# KiCad board pq-register.kicad_pcb (continued)
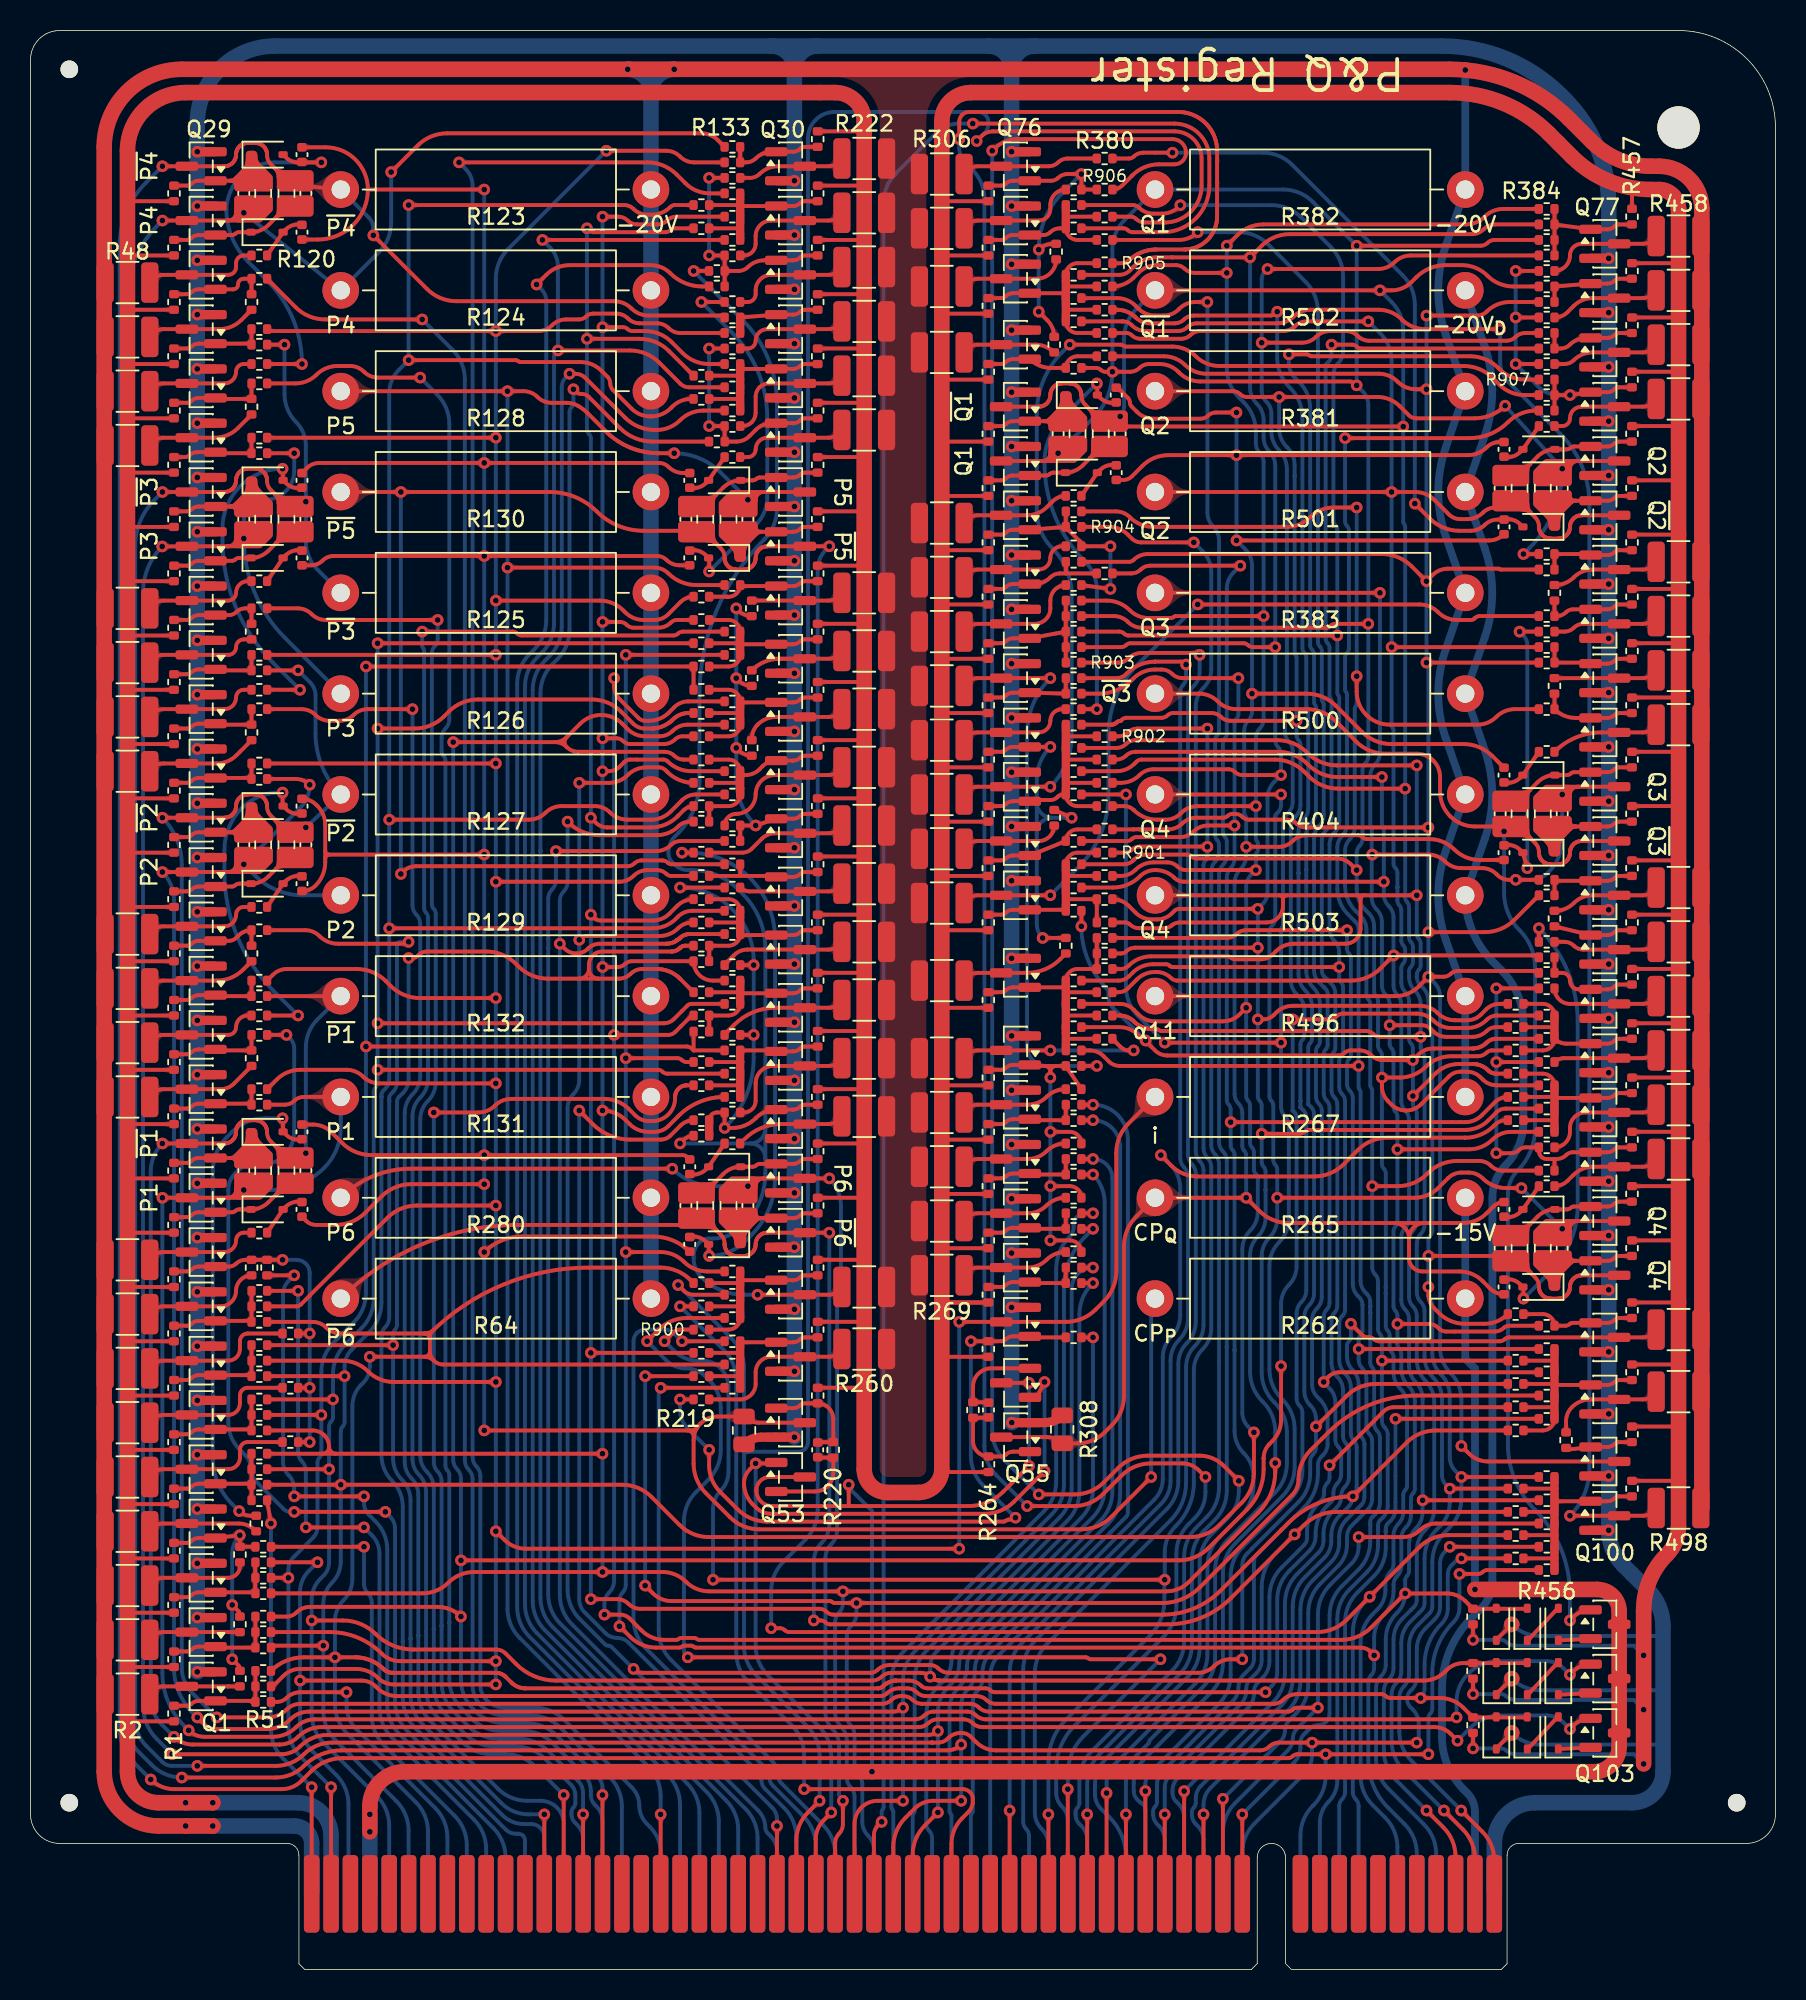
[diagram p0: board, top side]
## Routing (per net, layer and track width the routed paths; a pad name or vN(x,y) marks a point on that pad's centre or on a via; arc(x,y) is an arc through that point) (continued)
  Bottom w0.254: v1(73.04,60.85) 70.91,62.98 arc(70.69,63.31) 70.61,63.71 70.61,64.08 arc(70.6,64.13) 70.58,64.17 70.54,64.21 arc(69.28,66.1) v1(68.83,68.33) ; v1(91.44,10.41) 89.44,12.41 arc(88.85,13.29) 88.65,14.33 88.65,18.22 arc(88.73,18.63) 88.96,18.98 arc(89.2,19.33) 89.28,19.75 89.28,21.59 arc(89.43,22.34) 89.85,22.97 90.42,23.54 arc(90.42,23.55) 90.42,23.55 arc(90.42,23.55) 90.43,23.55 90.61,23.74 arc(90.76,23.95) 90.8,24.2 90.81,27.43 arc(90.95,28.17) 91.38,28.81 arc(91.8,29.44) 91.95,30.19 91.95,37.17 arc(91.8,37.92) 91.38,38.55 arc(90.95,39.18) 90.81,39.93 90.8,42.82 arc(90.74,43.15) 90.55,43.43 arc(90.36,43.72) 90.3,44.05 90.3,47.76 arc(90.36,48.09) 90.55,48.38 arc(90.74,48.66) 90.8,48.99 90.8,56.08 arc(90.77,56.25) 90.68,56.39 arc(90.58,56.53) 90.55,56.69 v1(90.55,59.56) 90.55,60.34 arc(90.52,60.5) 90.42,60.64 arc(90.33,60.79) 90.3,60.95 90.3,63.42 arc(90.23,63.75) 90.04,64.03 arc(89.86,64.31) 89.79,64.65 89.79,65.58 arc(89.82,65.75) 89.92,65.89 arc(90.01,66.03) 90.04,66.19 90.04,66.77 arc(90.01,66.94) 89.92,67.08 arc(89.82,67.22) 89.79,67.39 89.79,69.4 arc(89.76,69.56) 89.66,69.7 arc(89.57,69.85) 89.54,70.01 89.54,71.83 arc(89.5,72) 89.41,72.14 arc(89.31,72.28) 89.28,72.44 89.28,81.19 arc(89.26,81.27) 89.22,81.34 arc(89.17,81.41) 89.15,81.5 v1(89.15,86.61) 89.15,105.35 arc(88.96,106.34) 88.39,107.19 v1(87.63,107.95)
~{Q3}: length 290.6
  Top w0.254: v1(88.65,71.25) 75.54,71.25 arc(75.21,71.31) 74.93,71.5 arc(74.37,71.88) 73.7,72.01 73.66,72.01 arc(73.12,71.9) 72.67,71.6 arc(71.86,71.06) 70.9,70.87 R337.1 ; R168.1 43.08,83.06 arc(42.59,82.96) 42.16,82.68 41.81,82.33 arc(41.22,81.93) 40.51,81.79 40.26,81.79 arc(40.02,81.83) 39.83,81.97 38.59,83.21 arc(38.32,83.6) 38.23,84.07 v1(38.23,84.58) ; R347.1 71.14,79.25 arc(71.47,79.31) 71.76,79.5 arc(72.04,79.69) 72.37,79.76 72.37,79.76 arc(72.37,79.76) 72.37,79.76 81.72,79.76 arc(82.76,79.55) 83.64,78.96 83.7,78.9 arc(84.58,78.31) 85.63,78.1 v1(88.52,78.1) ; v1(91.19,30.73) R450.1 ; v1(37.59,23.24) 38.63,23.24 arc(38.96,23.17) 39.24,22.99 40.02,22.21 arc(40.71,21.75) 41.52,21.59 42.31,21.59 arc(42.39,21.61) 42.46,21.65 arc(42.53,21.7) 42.62,21.72 43.49,21.72 arc(43.57,21.7) 43.64,21.65 arc(43.71,21.61) 43.8,21.59 85.88,21.59 arc(86.92,21.8) 87.8,22.39 v1(90.04,24.63) 92.77,24.63 arc(93.43,24.5) 93.99,24.13 R499.1 97.97,23.62 ; R328.1 71.27,64.01 arc(71.6,64.07) 71.88,64.26 72.46,64.84 arc(73.01,65.21) 73.66,65.33 73.75,65.33 arc(74.27,65.23) 74.71,64.94 arc(74.9,64.81) 75.11,64.77 86.5,64.77 arc(87.54,64.98) 88.43,65.57 v1(89.28,66.42) 98.59,66.42 arc(98.67,66.4) 98.74,66.36 R417.1 ; v1(38.23,61.21) 41.77,61.21 arc(42.02,61.26) 42.23,61.4 43.22,62.4 arc(43.32,62.46) R195.1
  Bottom w0.254: v1(37.59,23.24) 37.59,23.93 arc(37.67,24.35) 37.91,24.7 arc(38.14,25.05) 38.23,25.47 v1(38.23,61.21) v1(38.23,84.58) ; 92.08,4.95 92.08,7.57 arc(91.87,8.62) 91.28,9.5 88.93,11.84 arc(88.35,12.72) 88.14,13.77 88.14,18.43 arc(88.22,18.84) 88.46,19.19 arc(88.69,19.54) 88.77,19.96 88.77,21.61 arc(88.96,22.54) 89.49,23.34 89.52,23.37 arc(89.91,23.95) v1(90.04,24.63) 90.04,25.47 arc(90.08,25.64) 90.17,25.78 arc(90.26,25.92) 90.3,26.09 90.3,27.82 arc(90.41,28.4) 90.74,28.89 arc(91.07,29.38) 91.19,29.96 91.19,37.39 arc(91.07,37.97) 90.74,38.46 arc(90.41,38.96) 90.3,39.54 90.3,42.61 arc(90.23,42.94) 90.04,43.22 arc(89.86,43.5) 89.79,43.84 89.79,47.97 arc(89.86,48.31) 90.04,48.59 arc(90.23,48.87) 90.3,49.2 90.3,55.65 arc(90.23,55.98) 90.04,56.26 arc(89.86,56.54) 89.79,56.87 89.79,63.21 arc(89.72,63.54) 89.54,63.82 arc(89.35,64.1) 89.28,64.44 v1(89.28,66.42) 89.28,68.89 arc(89.2,69.31) 88.96,69.66 arc(88.73,70.01) 88.65,70.43 v1(88.65,71.25) 88.65,74.71 arc(88.63,74.8) 88.58,74.87 arc(88.54,74.94) 88.52,75.02 v1(88.52,78.1)
~{Q4}: length 179
  Top w0.254: C39.2 96.27,46.1 ; R503.2 81.79,70.36 ; 81.79,70.36 82.3,70.36 ; 81.79,70.36 arc(81.97,70.28) 82.04,70.1 ; 82.3,70.36 86.92,70.36 ; 82.3,70.36 arc(82.12,70.28) 82.04,70.1 ; 86.92,70.36 87.33,70.36 ; 86.92,70.36 arc(87.06,70.3) 87.12,70.15 ; 87.33,70.36 v1(90.8,70.36) ; 87.33,70.36 arc(87.18,70.3) 87.12,70.15 ; 98.3,45.59 98.57,45.32 arc(98.74,45.06) 98.81,44.75 98.81,44.72 arc(98.81,44.7) 98.81,44.69 arc(98.81,44.67) 98.81,44.65 98.81,44.63 arc(98.81,44.6) 98.82,44.56 arc(98.83,44.53) 98.84,44.5 arc(98.85,44.46) 98.86,44.43 arc(98.87,44.4) 98.89,44.36 arc(98.9,44.33) 98.92,44.3 arc(98.94,44.27) 98.96,44.24 arc(98.98,44.22) 99.01,44.19 arc(99.03,44.17) 99.05,44.14 arc(99.08,44.12) 99.11,44.1 arc(99.14,44.08) 99.17,44.06 arc(99.2,44.04) 99.23,44.02 arc(99.26,44.01) 99.29,43.99 arc(99.33,43.98) 99.36,43.97 arc(99.39,43.96) 99.43,43.96 arc(99.46,43.95) 99.5,43.95 99.52,43.94 arc(99.53,43.94) 99.55,43.94 arc(99.57,43.94) 99.59,43.94 100.06,43.94 arc(100.08,43.94) 100.09,43.94 arc(100.11,43.94) 100.13,43.94 100.15,43.95 arc(100.18,43.95) 100.22,43.96 arc(100.25,43.96) 100.28,43.97 arc(100.32,43.98) 100.35,43.99 arc(100.38,44.01) 100.42,44.02 arc(100.45,44.04) 100.48,44.06 arc(100.51,44.08) 100.54,44.1 arc(100.56,44.12) 100.59,44.14 arc(100.61,44.17) 100.64,44.19 arc(100.66,44.22) 100.68,44.24 arc(100.7,44.27) 100.72,44.3 arc(100.74,44.33) 100.76,44.36 arc(100.77,44.4) 100.79,44.43 arc(100.8,44.46) 100.81,44.5 arc(100.82,44.53) 100.82,44.56 arc(100.83,44.6) 100.83,44.63 arc(100.84,44.67) 100.84,44.7 arc(100.84,44.74) 100.84,44.77 arc(100.85,44.81) 100.85,44.84 arc(100.86,44.88) 100.87,44.91 arc(100.88,44.95) 100.89,44.98 arc(100.9,45.01) 100.92,45.04 arc(100.93,45.07) 100.95,45.1 arc(100.97,45.13) 100.99,45.16 arc(101.01,45.19) 101.04,45.22 arc(101.06,45.24) 101.09,45.27 arc(101.11,45.29) 101.14,45.31 arc(101.17,45.33) 101.2,45.35 arc(101.23,45.37) 101.26,45.39 arc(101.29,45.4) 101.32,45.41 arc(101.36,45.43) 101.39,45.44 arc(101.43,45.45) 101.46,45.45 arc(101.49,45.46) 101.53,45.46 101.55,45.46 arc(101.56,45.47) 101.58,45.47 arc(101.6,45.47) 101.62,45.47 Q96.3 ; 98.3,45.59 97.66,46.23 ; 98.3,45.59 98.22,45.67 ; 98.3,45.59 arc(98.11,45.87) 98.04,46.21 98.04,46.23 ; 98.3,45.59 arc(98.02,45.78) 97.68,45.85 97.66,45.85 ; 95.89,4.95 95.89,7.11 arc(95.68,8.15) 95.09,9.04 93.71,10.41 arc(93.71,10.41) 93.71,10.41 93.71,10.41 ; v1(91.57,44.7) 91.57,44.2 arc(91.66,43.73) 91.93,43.33 92.27,42.99 arc(93.04,42.47) 93.95,42.29 95.24,42.29 arc(96.07,42.46) R437.1 ; R334.1 71.7,68.58 arc(71.87,68.55) 72.01,68.45 arc(72.29,68.27) 72.62,68.2 74.24,68.2 arc(74.55,68.26) 74.82,68.44 ; 87.12,70.15 87.12,68.18 arc(86.83,67.48) 86.12,67.18 82.76,67.18 arc(82.12,67.06) 81.58,66.69 81.38,66.5 arc(81.02,66.25) 80.58,66.17 78.88,66.17 arc(78.75,66.19) 78.64,66.26 arc(78.54,66.33) 78.41,66.36 73.41,66.36 arc(72.61,66.2) 71.93,65.75 arc(71.69,65.59) 71.41,65.53 R330.1 ; v1(90.8,78.87) 85.58,78.87 arc(84.54,79.07) 83.66,79.66 83.6,79.72 arc(82.72,80.31) 81.68,80.52 72.37,80.52 arc(72.04,80.45) 71.76,80.26 arc(71.47,80.08) 71.14,80.01 R348.1 ; v1(91.57,46.74) 96.24,46.74 ; 82.04,70.1 82.04,69.66 arc(81.72,68.9) 80.96,68.58 75.29,68.58 arc(74.96,68.51) 74.68,68.33 ; v1(93.73,32.26) R448.1
  Bottom w0.254: v1(90.8,78.87) v1(90.8,70.36) 90.8,67.81 arc(90.84,67.64) 90.93,67.5 arc(91.03,67.36) 91.06,67.2 91.06,65.77 arc(91.03,65.61) 90.93,65.47 arc(90.84,65.33) 90.8,65.16 90.8,65.02 arc(90.86,64.73) 91.03,64.49 91.19,64.33 arc(91.47,63.91) 91.57,63.41 91.57,61.84 arc(91.6,61.67) 91.69,61.53 arc(91.79,61.39) 91.82,61.22 91.82,60.15 91.82,48.39 arc(91.79,48.22) 91.69,48.08 arc(91.6,47.94) 91.57,47.78 v1(91.57,46.74) v1(91.57,44.7) 91.57,44.12 arc(91.6,43.96) 91.69,43.81 arc(91.79,43.67) 91.82,43.51 91.82,40.35 arc(91.97,39.6) 92.39,38.97 arc(92.82,38.34) 92.96,37.59 92.96,33.56 arc(93.06,33.06) 93.34,32.64 v1(93.73,32.26) 93.73,30.84 arc(93.52,29.8) 92.93,28.92 92.62,28.61 arc(92.03,27.73) 91.82,26.69 91.82,23.78 arc(91.77,23.53) 91.63,23.32 91.44,23.13 arc(91.44,23.13) 91.44,23.13 arc(91.44,23.12) 91.44,23.12 90.87,22.55 arc(90.45,21.92) 90.3,21.17 90.3,19.33 arc(90.21,18.91) 89.98,18.56 arc(89.74,18.21) 89.66,17.8 89.66,15.59 arc(89.87,14.55) 90.46,13.67 v1(93.71,10.41)
~{rl}: length 48.5
  Top w0.254: v1(17.53,44.45) R81.1 ; v1(18.03,28.96) v1(21.84,28.96)
  Bottom w0.254: v1(18.03,28.96) 18.03,32.66 arc(17.97,32.99) 17.78,33.27 arc(17.59,33.56) 17.53,33.89 v1(17.53,44.45) ; v1(21.84,28.96) 22.35,28.45 arc(22.73,27.89) 22.86,27.22 22.86,17.13 arc(23.07,16.09) 23.66,15.21 29.05,9.81 arc(29.64,8.93) 29.84,7.89 29.84,4.95
~{R}: length 99.5
  Top w0.254: v1(69.21,10.16) 69.21,4.95 ; v1(79.25,91.95) 73.33,91.95 arc(73,91.88) 72.72,91.69 arc(72.44,91.51) 72.11,91.44 R358.1
  Bottom w0.254: v1(79.25,91.95) 78.8,91.5 arc(78.47,91.01) 78.36,90.43 78.36,80.93 arc(78.33,80.77) 78.23,80.63 arc(78.14,80.49) 78.11,80.32 78.11,74.49 arc(78.14,74.33) 78.23,74.19 arc(78.33,74.05) 78.36,73.88 78.36,72.96 arc(78.29,72.63) 78.11,72.35 arc(77.92,72.07) 77.85,71.74 77.85,54.2 arc(77.92,53.87) 78.1,53.59 arc(78.29,53.31) 78.36,52.97 78.36,31.36 arc(78.15,30.31) 77.56,29.43 76.87,28.74 arc(76.28,27.86) 76.07,26.82 76.07,21.28 arc(75.87,20.24) 75.28,19.35 70.01,14.09 arc(69.42,13.21) 69.22,12.16 v1(69.21,10.16)
~{S1}: length 45.2
  Top w0.254: R444.1 89.31,36.83 arc(88.93,36.76) 88.61,36.54 v1(85.09,33.02)
  Bottom w0.254: 75.56,4.95 75.56,9.94 arc(75.47,10.44) 75.18,10.86 75.03,11.02 arc(74.86,11.27) 74.8,11.56 74.8,11.72 arc(74.89,12.16) 75.14,12.53 79.78,17.17 arc(80.04,17.56) 80.14,18.03 80.14,18.17 arc(80.2,18.51) 80.39,18.79 80.7,19.1 arc(81.04,19.6) 81.15,20.19 81.15,24.4 arc(81.36,25.44) 81.95,26.32 83.42,27.8 arc(83.57,28.01) 83.62,28.26 83.62,28.75 arc(83.81,29.7) 84.34,30.51 84.53,30.69 arc(84.68,30.92) 84.73,31.19 84.73,31.36 arc(84.79,31.63) 84.94,31.85 arc(85.05,32.02) 85.09,32.22 v1(85.09,33.02)
~{S2}: length 41.7
  Top w0.254: v1(89.41,36.07) R445.1
  Bottom w0.254: 85.73,4.95 85.73,10.7 arc(85.77,10.95) 85.92,11.16 arc(86.06,11.37) 86.11,11.62 86.11,22.75 arc(86.31,23.79) 86.9,24.67 88.01,25.78 arc(88.57,26.63) 88.77,27.62 88.77,28.89 arc(88.81,29.06) 88.91,29.21 89.09,29.39 arc(89.33,29.74) 89.41,30.16 v1(89.41,36.07)
~{Tb1}: length 46.6
  Top w0.254: v1(69.6,45.97) R311.1
  Bottom w0.254: 57.79,4.95 57.79,10.07 arc(57.8,10.15) 57.85,10.22 arc(57.9,10.29) 57.91,10.38 57.91,18.98 arc(58.12,20.02) 58.71,20.91 67.4,29.6 arc(67.99,30.48) 68.2,31.52 68.2,44.58 arc(68.61,45.56) v1(69.6,45.97)
~{Tb2}: length 50.9
  Top w0.254: v1(69.6,49.53) R314.1
  Bottom w0.254: v1(69.6,49.53) 69.09,49.53 arc(68.55,49.31) 68.33,48.77 68.33,48.62 arc(68.26,48.29) 68.07,48.01 arc(67.41,47.02) 67.18,45.86 67.18,31.94 arc(66.98,30.9) 66.39,30.02 57.18,20.82 arc(56.6,19.94) 56.39,18.9 56.39,10.63 arc(56.4,10.55) 56.45,10.48 arc(56.5,10.41) 56.52,10.32 56.52,4.95
~{Tb3}: length 53.7
  Top w0.254: v1(69.6,53.09) R317.1
  Bottom w0.254: 60.33,4.95 60.33,10.07 arc(60.31,10.15) 60.26,10.22 arc(60.21,10.29) 60.2,10.38 60.2,17.06 arc(60.35,17.81) 60.77,18.44 arc(61.19,19.07) 61.34,19.82 61.34,19.84 arc(61.49,20.6) 61.92,21.24 70.07,29.39 arc(70.66,30.27) 70.87,31.31 70.87,51.82 arc(70.49,52.71) v1(69.6,53.09)
~{Tb4}: length 57.8
  Top w0.254: v1(69.6,56.64) R320.1
  Bottom w0.254: 61.59,4.95 61.59,10.07 arc(61.61,10.15) 61.66,10.22 arc(61.71,10.29) 61.72,10.38 61.72,17.51 arc(61.8,17.92) 62.04,18.27 arc(62.27,18.62) 62.36,19.04 62.36,19.41 arc(62.51,20.18) 62.94,20.82 70.74,28.62 71.76,29.64 arc(71.85,29.78) 71.88,29.94 71.88,54.36 arc(71.21,55.97) v1(69.6,56.64)
~{To}: length 131.8
  Top w0.254: R323.1 69.37,60.2 arc(69.87,60.1) 70.29,59.82 70.64,59.47 arc(70.96,59.26) 71.34,59.18 v1(86.99,59.18) ; v1(79.37,10.16) 79.37,4.95 ; R396.1 98.61,102.11 arc(97.62,101.91) 96.77,101.35 arc(95.62,100.57) 94.25,100.3 v1(86.11,100.3)
  Bottom w0.254: 87.76,29.12 87.76,29.12 ; 87.76,29.12 87.76,29.31 arc(87.79,29.48) 87.89,29.63 88.07,29.81 arc(88.31,30.17) 88.39,30.58 88.39,34.83 arc(88.34,35.08) 88.2,35.29 arc(88.06,35.5) 88.01,35.75 88.01,39.13 arc(87.98,39.29) 87.88,39.44 arc(87.79,39.58) 87.76,39.74 87.76,43.73 arc(87.7,44) 87.55,44.23 87.44,44.34 arc(87.2,44.69) 87.12,45.11 87.12,57.47 arc(87.11,57.56) 87.06,57.63 arc(87.01,57.7) 86.99,57.78 v1(86.99,59.18) 86.99,68.12 arc(86.94,68.39) 86.79,68.62 86.3,69.11 arc(85.78,69.89) 85.6,70.8 85.6,73.48 arc(85.68,73.9) 85.92,74.25 arc(86.15,74.6) 86.23,75.02 86.23,83.52 arc(86.22,83.6) 86.17,83.67 arc(86.12,83.74) 86.11,83.83 86.11,85.93 arc(86.14,86.09) 86.23,86.23 arc(86.33,86.37) 86.36,86.54 86.36,94.25 arc(86.33,94.41) 86.23,94.55 arc(86.14,94.69) 86.11,94.86 v1(86.11,100.3) ; 87.76,29.12 arc(87.76,29.12) 87.76,29.12 ; 87.76,29.12 87.76,28.04 arc(87.56,27.05) 86.99,26.2 85.89,25.09 arc(85.3,24.21) 85.09,23.17 85.09,16.76 arc(85.03,16.47) 84.87,16.23 arc(84.62,16.06) 84.33,16 arc(84.04,15.94) 83.79,15.78 83.41,15.4 arc(83.24,15.15) 83.18,14.86 83.18,14.57 arc(83.07,14.02) 82.76,13.54 v1(79.37,10.16)
~{V}: length 117
  Top w0.254: R152.1 44.08,102.11 arc(43.25,101.94) 42.55,101.47 arc(41.84,101) 41.01,100.84 40.89,100.84 arc(39.84,101.05) 38.94,101.65 36.34,104.25 arc(36.04,104.45) 35.69,104.52 v1(35.31,104.52)
  Bottom w0.254: 32.89,72.63 32.89,72.63 ; 32.89,72.63 32.89,24.15 arc(33.1,23.11) 33.69,22.23 44.29,11.63 arc(44.88,10.75) 45.08,9.7 45.08,4.95 ; 32.89,72.63 32.89,72.63 ; 32.89,72.63 arc(32.89,72.63) 32.89,72.63 ; 32.89,72.63 arc(32.89,72.63) 32.89,72.63 ; 32.89,72.63 32.89,73.07 32.89,83.8 arc(33.1,84.84) 33.69,85.72 34,86.03 arc(34.59,86.91) 34.8,87.96 34.8,103.65 arc(34.86,103.99) 35.05,104.27 v1(35.31,104.52)
~{β5}: length 95.5
  Top w0.254: R258.2 52.89,44.45 arc(52.61,44.26) 52.28,44.2 Q50.3 v1(47.62,44.2) ; v1(42.55,54.1) 42.79,54.34 arc(43.08,54.54) R205.1 ; v1(43.43,111.25) R142.1
  Bottom w0.254: 47.15,54.1 v1(42.55,54.1) ; 47.15,54.1 arc(47.85,53.81) 48.13,53.12 ; 47.15,54.1 arc(47.85,54.39) 48.13,55.08 ; 48.13,55.08 48.13,66.9 arc(47.75,68.8) 46.67,70.42 46.34,70.75 arc(44.95,71.68) 43.31,72.01 43.08,72.01 arc(42.59,72.11) 42.16,72.39 42.05,72.5 arc(41.85,72.8) 41.78,73.15 arc(41.9,73.74) 42.23,74.24 42.42,74.42 arc(43.45,75.97) 43.81,77.79 43.81,83.41 arc(44.92,88.96) 48.06,93.67 arc(48.68,94.59) 48.89,95.67 48.89,102.56 arc(48.3,105.54) 46.61,108.08 v1(43.43,111.25) ; 48.13,55.08 48.13,53.12 ; 48.13,53.12 48.13,52.14 arc(47.77,50.32) 46.74,48.77 46.66,48.69 arc(45.76,48.09) 44.7,47.88 44.43,47.88 arc(44.1,47.81) 43.81,47.62 arc(43.53,47.2) 43.43,46.71 43.43,46.57 arc(43.57,45.9) 43.94,45.34 arc(45.21,44.49) 46.7,44.2 v1(47.62,44.2)
α9: length 62.3
  Top w0.254: v1(86.49,42.29) 87.2,41.58 arc(87.4,41.45) 87.63,41.4 87.7,41.4 arc(87.87,41.37) 88.01,41.27 arc(88.15,41.18) 88.32,41.15 96.25,41.15 arc(96.42,41.18) 96.56,41.27 arc(96.7,41.37) 96.86,41.4 Q97.3 105.62,41.4 arc(105.95,41.47) 106.23,41.66 R492.2 ; v1(76.83,10.16) 76.83,4.95
  Bottom w0.254: v1(86.49,42.29) 86.49,41.45 arc(86.45,41.29) 86.36,41.15 arc(86.27,41.01) 86.23,40.84 86.23,40.16 arc(86.33,39.67) 86.61,39.24 arc(86.9,38.82) 87,38.32 87,35.33 arc(87.04,35.08) 87.19,34.87 arc(87.33,34.65) 87.38,34.41 87.38,30.94 arc(87.32,30.65) 87.16,30.4 arc(87.14,30.4) 87.14,30.4 86.18,29.44 arc(85.84,28.93) 85.72,28.33 85.72,27.92 arc(85.59,27.27) 85.22,26.72 83.98,25.48 arc(83.39,24.6) 83.18,23.56 83.18,18.91 arc(82.98,17.87) 82.39,16.98 77.28,11.88 arc(76.95,11.38) 76.83,10.79 v1(76.83,10.16)
α11: length 208.1
  Top w0.254: R418.1 98.74,65.34 arc(98.67,65.39) 98.59,65.4 93.49,65.4 arc(93.24,65.36) 93.03,65.21 arc(92.82,65.07) 92.57,65.02 v1(91.57,65.02) 90.93,64.39 arc(90.23,63.92) 89.4,63.75 R496.2 ; R341.1 72.25,74.68 72.63,74.69 arc(72.64,74.68) 72.65,74.68 arc(72.65,74.68) 72.66,74.68 74.52,74.68 arc(75.02,74.78) 75.44,75.06 arc(75.86,75.34) 76.36,75.44 78.12,75.44 arc(78.28,75.47) 78.42,75.56 arc(78.57,75.66) 78.73,75.69 78.91,75.69 arc(79.16,75.64) 79.37,75.5 arc(79.58,75.36) 79.83,75.31 82.32,75.31 arc(82.65,75.24) 82.93,75.06 arc(83.21,74.87) 83.54,74.8 v1(91.57,74.8) ; Q99.3 95.46,33.27 arc(94.8,33.41) 94.23,33.78 v1(93.73,34.29) ; 98.79,91.69 96.31,91.69 arc(96.27,91.7) 96.24,91.72 arc(96.21,91.74) 96.17,91.75 92.84,91.75 arc(92.3,91.64) 91.85,91.34 v1(91.44,90.93) 90.46,91.91 arc(89.58,92.5) 88.54,92.71 73.18,92.71 arc(72.69,92.61) 72.26,92.33 arc(72.12,92.24) 71.96,92.2 R359.1 ; 98.79,91.69 arc(98.8,91.7) 98.8,91.7 ; 98.79,91.69 arc(98.8,91.7) 98.8,91.7 ; 98.8,91.7 98.67,91.82 ; 98.8,91.7 98.79,91.71 arc(98.77,91.72) 98.76,91.73 arc(98.71,91.75) 98.66,91.75 ; v1(91.44,85.6) R407.1 ; v1(91.44,103.5) 90.74,103.5 arc(90.1,103.63) 89.55,104 89.54,104.01 arc(88.97,104.39) 88.31,104.52 77.01,104.52 arc(76.26,104.67) 75.63,105.09 arc(75,105.52) 74.25,105.66 R366.1 arc(70.91,105.75) 70.99,105.79 ; R414.1 97.19,68.74 arc(96.31,68.15) 95.26,67.94 v1(91.57,67.94) ; R390.1 96.91,109.22 arc(96.08,109.05) 95.38,108.58 arc(95.1,108.4) 94.76,108.33 v1(91.44,108.33)
  Bottom w0.254: v1(91.44,108.33) v1(91.44,103.5) v1(91.44,90.93) v1(91.44,85.6) 91.5,85.53 arc(91.55,85.46) 91.57,85.38 v1(91.57,74.8) v1(91.57,67.94) v1(91.57,65.02) 91.95,64.64 arc(92.23,64.22) 92.33,63.72 92.33,40.74 arc(92.51,39.83) 93.03,39.05 arc(93.54,38.28) 93.73,37.37 v1(93.73,34.29)
Net-(CR1-A): length 3
  Top w0.254: R84.1 16.47,49.68 arc(16.55,49.78) 16.63,49.87 16.72,49.96 arc(17.09,50.2) 17.53,50.29
Net-(CR1-K): length 8.3
  Top w0.254: 16.08,50.75 16.07,50.74 16.08,50.75 ; 16.08,50.75 arc(16.21,50.95) 16.26,51.18 ; 16.08,50.75 arc(16.28,50.88) 16.51,50.93 ; 12.16,49.6 13.2,49.6 arc(13.32,49.62) 13.41,49.68 arc(13.52,49.76) 13.66,49.78 CR1.1 arc(15.06,49.91) 15.59,50.26 16.06,50.73 ; 12.16,49.6 12.07,49.6 ; 12.16,49.6 arc(12.14,49.58) 12.15,49.56 ; 12.07,49.6 11.01,49.6 arc(10.75,49.55) 10.54,49.4 arc(10.4,49.31) 10.24,49.28 R19.1 ; 12.07,49.6 arc(12.11,49.59) 12.15,49.56 ; 12.15,49.56 12.18,49.53
Net-(CR2-A): length 32.3
  Top w0.254: v1(16.51,55.75) CR2.2 ; R65.2 14.4,29.72 arc(14,29.8) v1(13.67,30.02) ; 16.72,54.69 arc(17.09,54.44) 17.53,54.36
  Bottom w0.254: v1(16.51,55.75) 15.35,55.75 arc(14.19,55.52) 13.21,54.86 12.86,54.52 arc(12.18,53.49) 11.94,52.28 11.94,33.53 arc(12.26,31.89) 13.2,30.49 v1(13.67,30.02)
Net-(CR2-K): length 7.3
  Top w0.254: 13.92,53.8 13.41,53.29 arc(13.26,53.19) 13.08,53.15 ; 13.08,53.15 13.14,53.15 arc(13.37,53.06) 13.46,52.83 ; 13.08,53.15 13.46,53.15 ; 13.08,53.15 Q11.1 11.01,53.15 arc(10.75,53.1) 10.54,52.96 arc(10.4,52.87) 10.24,52.83 R20.1 ; 14.73,54.77 arc(14.8,54.43) 14.99,54.15 ; 14.22,54.52 arc(14.15,54.13) 13.93,53.8
Net-(CR3-A): length 3
  Top w0.254: R96.1 16.47,71.02 arc(16.55,71.12) 16.63,71.21 16.72,71.29 arc(17.09,71.54) 17.53,71.63
Net-(CR3-K): length 8.3
  Top w0.254: 16.08,72.08 16.07,72.08 16.08,72.08 ; 16.08,72.08 arc(16.28,72.22) 16.51,72.26 ; 16.08,72.08 arc(16.21,72.28) 16.26,72.52 ; 12.07,70.93 12.16,70.93 ; 12.07,70.93 11.01,70.93 arc(10.75,70.88) 10.54,70.74 arc(10.4,70.65) 10.24,70.61 R29.1 ; 12.07,70.93 arc(12.11,70.92) 12.15,70.9 ; 12.16,70.93 13.2,70.93 arc(13.32,70.95) 13.41,71.02 arc(13.52,71.09) 13.66,71.12 CR3.1 arc(15.06,71.24) 15.59,71.59 16.06,72.07 ; 12.16,70.93 arc(12.14,70.92) 12.15,70.9 ; 12.15,70.9 12.18,70.87
Net-(CR4-A): length 22.2
  Top w0.254: v1(17.53,62.48) R91.2 ; v1(16.51,77.09) 16.51,76.28 arc(16.52,76.24) CR4.2 ; 16.72,76.03 arc(17.09,75.78) 17.53,75.69
  Bottom w0.254: v1(17.53,62.48) 15.93,64.08 arc(13.54,67.66) 12.7,71.88 12.7,73.31 arc(13,74.81) 13.84,76.07 arc(14.97,76.82) 16.3,77.09 v1(16.51,77.09)
Net-(CR4-K): length 7.3
  Top w0.254: 13.92,75.13 13.41,74.62 arc(13.26,74.52) 13.08,74.49 ; R30.1 10.24,74.17 arc(10.4,74.2) 10.54,74.29 arc(10.75,74.44) 11.01,74.49 Q17.1 13.08,74.49 ; 13.08,74.49 13.46,74.49 ; 13.08,74.49 13.14,74.49 arc(13.37,74.39) 13.46,74.17 ; 14.22,75.86 arc(14.15,75.47) 13.93,75.14 ; 14.73,76.1 arc(14.8,75.77) 14.99,75.49
Net-(CR5-A): length 3
  Top w0.254: R108.1 16.47,92.36 arc(16.55,92.45) 16.63,92.54 16.72,92.63 arc(17.09,92.88) 17.53,92.96
Net-(CR5-K): length 8.3
  Top w0.254: 12.07,92.27 12.16,92.27 ; 12.07,92.27 11.01,92.27 arc(10.75,92.22) 10.54,92.07 arc(10.4,91.98) 10.24,91.95 R39.1 ; 12.07,92.27 arc(12.11,92.26) 12.15,92.23 ; 12.16,92.27 13.2,92.27 arc(13.32,92.29) 13.41,92.35 arc(13.52,92.43) 13.66,92.46 CR5.1 arc(15.06,92.58) 15.59,92.93 16.06,93.4 ; 12.16,92.27 arc(12.14,92.26) 12.15,92.23 ; 16.08,93.42 16.07,93.41 16.08,93.42 ; 16.08,93.42 arc(16.28,93.55) 16.51,93.6 ; 16.08,93.42 arc(16.21,93.62) 16.26,93.85 ; 12.15,92.23 12.18,92.2
Net-(CR6-A): length 22.2
  Top w0.254: v1(17.65,83.82) R103.2 ; v1(16.51,98.3) CR6.2 ; 16.72,97.36 arc(17.09,97.12) 17.53,97.03
  Bottom w0.254: v1(17.65,83.82) 15.9,85.58 arc(13.44,89.26) 12.57,93.6 12.57,94.36 arc(13.73,97.14) v1(16.51,98.3)
Net-(CR6-K): length 7.3
  Top w0.254: 13.08,95.82 13.46,95.82 ; 13.08,95.82 Q23.1 11.01,95.82 arc(10.75,95.77) 10.54,95.63 arc(10.4,95.54) 10.24,95.51 R40.1 ; 13.08,95.82 13.14,95.82 arc(13.37,95.73) 13.46,95.5 ; 13.08,95.82 arc(13.26,95.86) 13.41,95.96 13.92,96.47 ; 14.22,97.19 arc(14.15,96.81) 13.93,96.48 ; 14.73,97.44 arc(14.8,97.11) 14.99,96.82
Net-(CR7-A): length 3
  Top w0.254: R120.1 16.47,113.69 arc(16.55,113.79) 16.63,113.88 16.72,113.96 arc(17.09,114.21) 17.53,114.3
Net-(CR7-K): length 8.3
  Top w0.254: 12.15,113.57 12.18,113.54 ; 12.15,113.57 arc(12.14,113.59) 12.16,113.6 ; 12.15,113.57 arc(12.11,113.6) 12.07,113.6 ; 16.08,114.76 16.07,114.75 16.08,114.76 ; 16.08,114.76 arc(16.28,114.89) 16.51,114.93 ; 16.08,114.76 arc(16.21,114.95) 16.26,115.19 ; R49.1 10.24,113.29 arc(10.4,113.32) 10.54,113.41 arc(10.75,113.55) 11.01,113.6 12.07,113.6 ; 12.07,113.6 12.16,113.6 ; 12.16,113.6 13.2,113.6 arc(13.32,113.63) 13.41,113.69 arc(13.52,113.77) 13.66,113.79 CR7.1 arc(15.06,113.91) 15.59,114.27 16.06,114.74
Net-(CR8-A): length 24.1
  Top w0.254: v1(19.05,118.36) 17.81,118.36 ; v1(17.78,105.16) R115.2 ; 16.72,118.7 arc(17.09,118.45) 17.53,118.36
  Bottom w0.254: v1(19.05,118.36) 16,118.36 arc(13.76,117.43) 12.83,115.19 ; 12.83,115.32 arc(13.2,113.44) 14.26,111.85 15.53,110.58 arc(17.2,108.09) v1(17.78,105.16)
Net-(CR8-K): length 7.3
  Top w0.254: 13.08,117.16 13.46,117.16 ; 13.08,117.16 13.14,117.16 arc(13.37,117.07) 13.46,116.84 ; 13.08,117.16 Q29.1 11.01,117.16 arc(10.75,117.11) 10.54,116.97 arc(10.4,116.87) 10.24,116.84 R50.1 ; 13.08,117.16 arc(13.26,117.2) 13.41,117.3 13.92,117.81 ; 14.22,118.53 arc(14.15,118.14) 13.93,117.81 ; 14.73,118.77 arc(14.8,118.44) 14.99,118.16
Net-(CR9-A): length 3
  Top w0.254: R155.1 44.49,97.64 arc(44.41,97.54) 44.33,97.45 44.24,97.36 arc(43.87,97.12) 43.43,97.03
